# KiCad board lumberjack.kicad_pcb (continued)
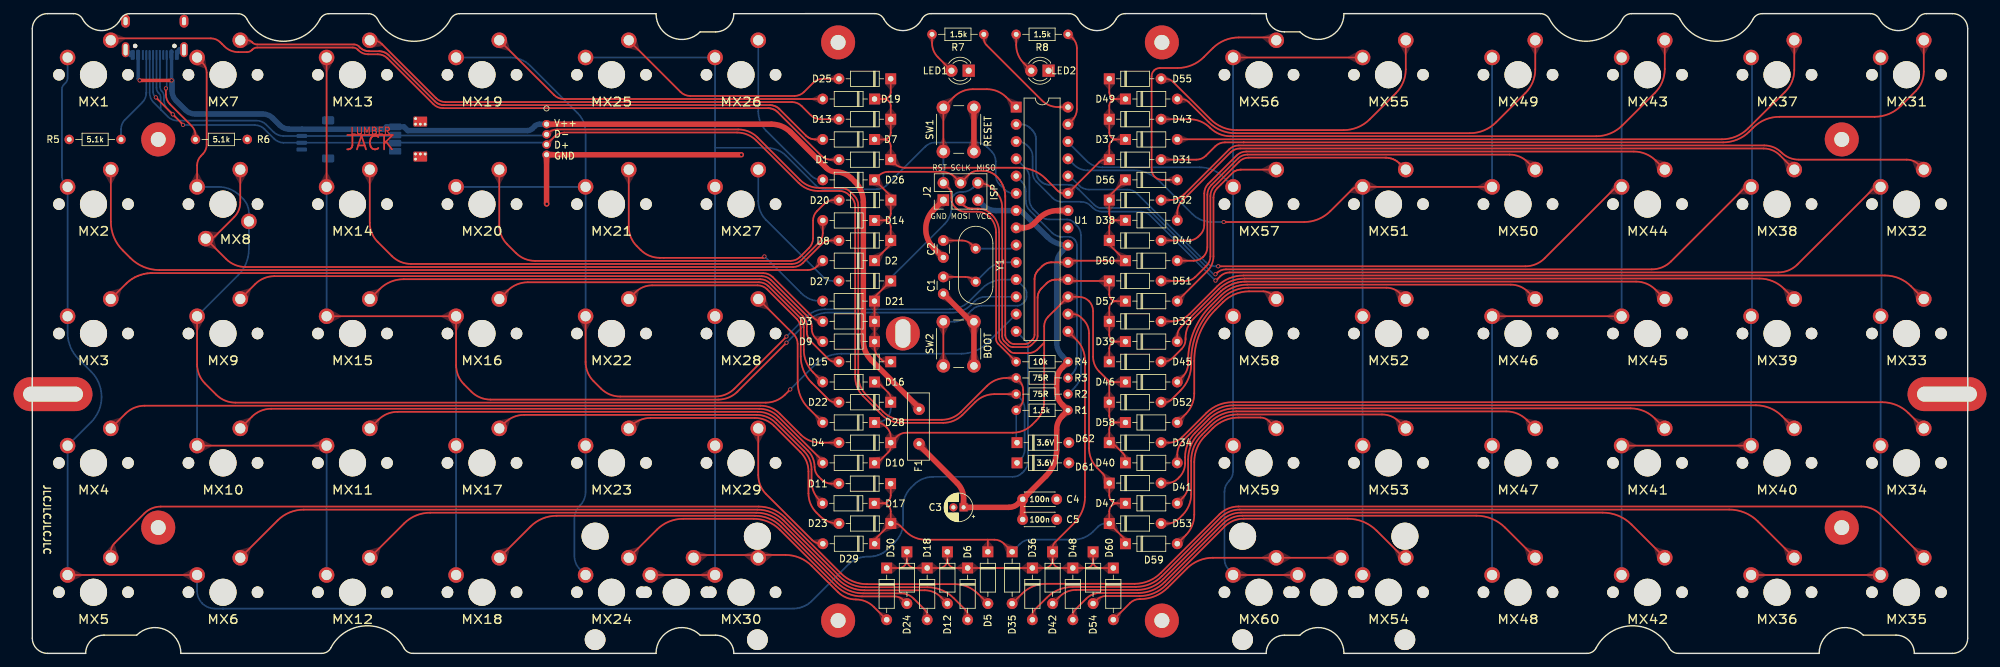
[diagram p0: board, top side]
## Routing (per net, layer and track width the routed paths; a pad name or vN(x,y) marks a point on that pad's centre or on a via; arc(x,y) is an arc through that point) (continued)
Net-(LED1-A): length 6.4
  Top w0.25: LED1.2 133.23,87.78 arc(132.58,88.75) 132.35,89.91 R7.2
Net-(LED2-A): length 6.1
  Top w0.25: LED2.2 145.84,86.92 arc(145.02,88.14) 144.73,89.59 R8.2
Net-(U1-XTAL1/PB6): length 10.9
  Top w0.25: C2.1 136.76,60.8 arc(137.52,60.65) 138.17,60.21 Y1.1
  Bottom w0.25: Y1.1 143.85,59.61 arc(144.19,59.67) 144.47,59.87
Net-(U1-XTAL2/PB7): length 11.8
  Top w0.25: C1.1 137.24,55.44 arc(138,55.29) 138.65,54.85
  Bottom w0.25: U1.10 143.18,57.58 arc(141.75,57.3) 140.54,56.49 Y1.2

## Copper pours and planes (outline as drawn; the poured copper is in the pictures)
GND on Bottom: 0.07,94.73 284.63,94.73 284.63,0.08 0.07,0.08

Small or netless copper shapes (teardrops, artwork), in the pictures only: 317 on Top, 163 on Bottom

## Text on the board
B.Mask: rev1.9 / 06/2024
B.Silkscreen: POST | V++ / D- / D+ / GND | MOLEX | LUMBERJACK
F.Silkscreen: MISO | VCC | SCLK | MOSI | RST | GND | V++ / D- / D+ / GND | ISP | JLCJLCJLCJLC
